# Altium PCB PCB_MPPT_rev1.PcbDoc (part 2 of 3) (continued)
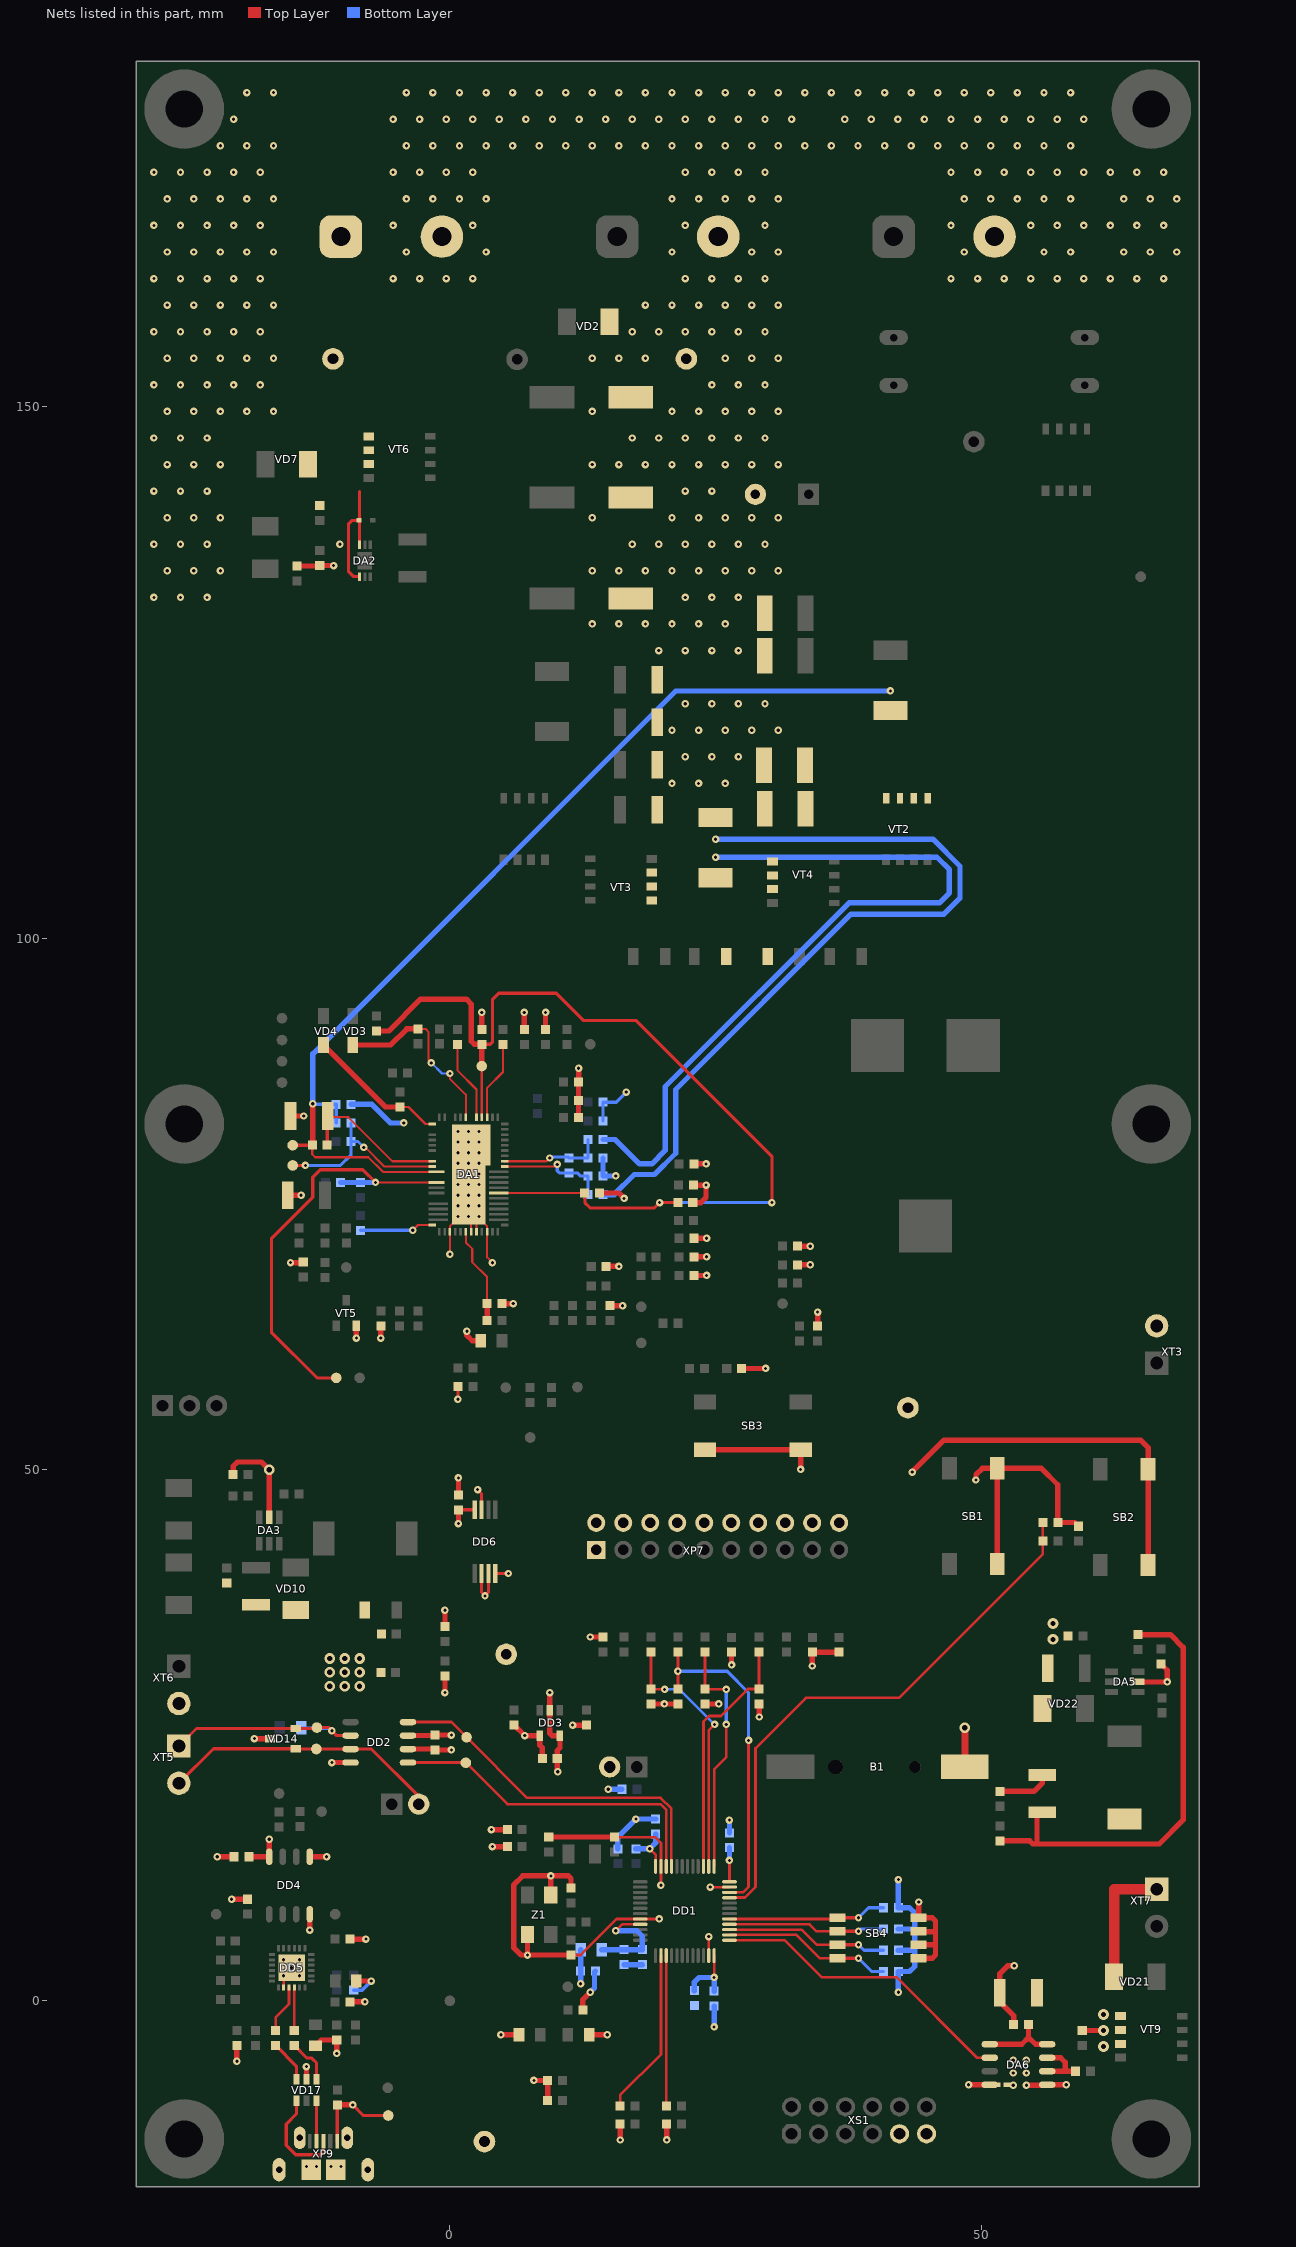
[diagram p4: the nets of this part, all layers, seen from the top]
## Part data (continued)
R58: library part Resistor_0805, Manufacturer=Vishay, Package=0805, PartNumber=CRCW08055K10FKEA, Power=0.125W, Temperature=-55...+125°C, Tolerance=±1%, TypeResistor="Resistor film", HelpURL=https://www.digikey.com/product-detail/en/vishay-dale/CRCW08055K10FKEA/541-5.10KCCT-ND/1180863, ValueManufacturerPartNumber="Resistor film, 5.1k, ±1%, 0805, 0.125W"
R59: library part Resistor_0603, Manufacturer=Vishay, Package=0603, PartNumber=CRCW06038K45FKEA, Power=0.1W, Temperature=-55...+125°C, Tolerance=±1%, TypeResistor="Res, SMD", HelpURL=https://www.digikey.com/product-detail/en/vishay-dale/CRCW06038K45FKEA/541-8.45KHCT-ND/1179916, ValueManufacturerPartNumber="Res, SMD, 8.45k, ±1%, 0603, 0.1W"
R65 R68 R69 R70 R71 R73 R103 R104 R106 R107: library part Resistor_0603, Manufacturer=Vishay, Package=0603, PartNumber=CRCW060322R0JNEA, Power=0.1W, Temperature=-55...+125°C, Tolerance=±5%, TypeResistor="Res, SMD", HelpURL=https://www.digikey.com/product-detail/en/vishay-dale/CRCW060322R0JNEA/541-22GCT-ND/1179329, ValueManufacturerPartNumber="Res, SMD, 22, ±5%, 0603, 0.1W"
R98: library part Resistor_0805, Manufacturer=Vishay, Package=0805, PartNumber=CRCW0805120RJNEA, Power=0.125W, Temperature=-55...+125°C, Tolerance=±5%, TypeResistor="Resistor film", HelpURL=https://www.digikey.com/product-detail/en/vishay-dale/CRCW0805120RJNEA/541-120ACT-ND/1180318, ValueManufacturerPartNumber="Resistor film, 120, ±5%, 0805, 0.125W"
R122: library part Resistor_0603, Manufacturer=YAGEO, Package=0603, PartNumber=RC0603FR-07147KL, Power=0.1W, Temperature=-55...+125°C, Tolerance=±1%, TypeResistor="Res, SMD", HelpURL=https://www.electronshik.ru/item/YAG/RC0603FR-07147KL, ValueManufacturerPartNumber="Res, SMD, 147k, ±1%, 0603, 0.1W"
SB1 SB2 SB3: library part Button_tactile, Manufacturer="TE Connectivity", Package=6x6mm, PartNumber=FSM2JSMAATR, HelpURL=https://www.digikey.com/product-detail/en/te-connectivity-alcoswitch-switches/FSM2JSMAATR/450-1792-1-ND/3503931, TypeButton="Tactile button", ValueManufacturerPartNumber="Tactile button, 6x6mm"
  SB1: CommentText="\"RST\""
  SB2: CommentText="\"USER\""
  SB3: CommentText="\"SHDN\""
SB4: library part Button_switch, CurrentMax=25mA, Manufacturer="TE Connectivity", PartNumber=1571983-4, Temperature=-40...+85°C, VoltageMax=24VDC, HelpURL=https://www.chipdip.ru/product/tyco-1571983-4, Multichannel=4pin, TypeButton="DIP switch", ValueManufacturerPartNumber="DIP switch, 4pin, 24VDC, 25mA, -40...+85°C"
VD1: library part Schottky_single_TDFN, Current=10A, Manufacturer="ON Semiconductor", Package="8-PowerTDFN, 5 Leads", PartNumber=NTS10100MFST3G, Voltage=100V, VoltageDrop="690mV @ 10A", ClassName=Polygon_direct, HelpURL=https://www.digikey.com/product-detail/en/on-semiconductor/NTS10100MFST3G/NTS10100MFST3GCT-ND/6050812, TypeDiode="Schottky diode", ValueManufacturerPartNumber="Schottky diode, 100V, 10A, 690mV @ 10A, 8-PowerTDFN, 5 Leads"
VD2: library part TVS_single_uni, Current=400W, Manufacturer="Diodes Incorporated", Package=SMA, PartNumber=SMAJ48A-13-F, Temperature=-55...+150°C, Voltage=48V, HelpURL=https://www.digikey.com/product-detail/en/diodes-incorporated/SMAJ48A-13-F/SMAJ48A-FDICT-ND/816024, TypeDiode="TVS DIODE UNI", ValueManufacturerPartNumber="TVS DIODE UNI, 48V, 400W, SMA"
VD3 VD4: library part Diode_single, Current=1A, Manufacturer="Central Semi.", Package=SOD-123F, PartNumber="CMMR1U-02 TR", Temperature=-65...+150°C, Voltage=200V, VoltageDrop="1.7V @ 1A", HelpURL=https://www.digikey.com/product-detail/en/central-semiconductor-corp/CMMR1U-02-TR-PBFREE/1514-CMMR1U-02TRPBFREECT-ND/4807014, RecoveryTime=50ns, TypeDiode="Ultra Fast Rectifier Single", ValueManufacturerPartNumber="Ultra Fast Rectifier Single, 200V, 1A, SOD-123F"
VD5 VD9 VD12 VD13 VD18 VD23: library part LED_single, Color=GREEN, Current=20mA, Manufacturer=Wurth, Package=0603, PartNumber=150060VS75000, Temperature=-55...+150°C, VoltageDrop=2V, HelpURL=https://www.digikey.com/product-detail/en/wurth-electronics-inc/150060VS75000/732-4980-1-ND/4489904
  VD5: ShowComment=STATUS, TypeDiode=LED, ValueManufacturerPartNumber="LED, 0603, GREEN"
  VD9: ShowComment=3V3, TypeDiode=LED, ValueManufacturerPartNumber="LED, 0603, GREEN"
  VD12: ShowComment=LED1, TypeDiode="LED GREEN", ValueManufacturerPartNumber="LED GREEN, 0603, GREEN"
  VD13: ShowComment=LED2, TypeDiode="LED GREEN", ValueManufacturerPartNumber="LED GREEN, 0603, GREEN"
  VD18: ShowComment=VBUS, TypeDiode=LED, ValueManufacturerPartNumber="LED, 0603"
  VD23: ShowComment=12V, TypeDiode=LED, ValueManufacturerPartNumber="LED, 0603, GREEN"
VD6: library part Zener_single, Current=300mW, Manufacturer="Diodes Incorporated", Package=SOD-523, PartNumber=BZT52C12T-7, Temperature=-60...+150°C, Voltage=12V, VoltageDrop="900mV @ 10mA", HelpURL=https://www.digikey.com/product-detail/en/diodes-incorporated/BZT52C12T-7/BZT52C12T-7DICT-ND/2181075, TypeDiode="Zener diode", ValueManufacturerPartNumber="Zener diode, 12V, 300mW, SOD-523"
VD7: library part TVS_single_uni, Current=400W, Manufacturer="Diodes Incorporated", Package=SMA, PartNumber=SMAT70A-13-F, Temperature=-55...+150°C, Voltage=70V, HelpURL=https://www.digikey.com/product-detail/en/diodes-incorporated/SMAT70A-13-F/SMAT70A-FDICT-ND/804910, TypeDiode="TVS DIODE UNI", ValueManufacturerPartNumber="TVS DIODE UNI, 70V, 400W, SMA"
VD8: library part TVS_single_uni, Current=400W, Manufacturer="Diodes Incorporated", Package=SMA, PartNumber=SMAJ24A-13-F, Temperature=-55...+150°C, Voltage=24V, HelpURL=https://www.digikey.com/product-detail/en/diodes-incorporated/SMAJ24A-13-F/SMAJ24A-FDICT-ND/724994, TypeDiode="TVS DIODE UNI", ValueManufacturerPartNumber="TVS DIODE UNI, 24V, 400W, SMA"
VD10 VD19 VD20 VD21 VD22: library part Schottky_single, Current=1A, Manufacturer=Vishay, Package=SMA, PartNumber=MBR0580S1-7, Temperature=-55...+150°C, Voltage=100V, VoltageDrop="780mV @ 1A", ClassName=Polygon_direct, HelpURL=https://www.digikey.com/product-detail/en/vishay-semiconductor-diodes-division/VS-10MQ100NTRPBF/10MQ100NPBFCT-ND/812503, TypeDiode="Schottky diode", ValueManufacturerPartNumber="Schottky diode, 100V, 1A, , SMA"
VD14: library part TVS_array, Current="230W peak", Manufacturer=STMicroelectronics, Package=SOT-23, PartNumber=ESDCAN06-2BLY, Temperature=-40...+150°C, Voltage=24V, VoltageDrop=3A, HelpURL=https://www.digikey.com/product-detail/en/stmicroelectronics/ESDCAN06-2BLY/497-19090-1-ND/10057130, RecoveryTime=13pF, TypeDiode="TVS diode", ValueManufacturerPartNumber="TVS diode, 24V, 230W peak, 3A, 13pF, SOT-23, -40...+150°C"
VD15: library part LED_single, Color=BLUE, Current=20mA, Manufacturer=Wurth, Package=0603, PartNumber=150060BS75000, Temperature=-55...+150°C, VoltageDrop=3.2V, HelpURL=https://www.digikey.com/product-detail/en/wurth-electronics-inc/150060BS75000/732-4966-1-ND/4489893, ShowComment=TX, TypeDiode=LED, ValueManufacturerPartNumber="LED, 0603, BLUE"
VD16: library part LED_single, Color=YELLOW, Current=20mA, Manufacturer=Wurth, Package=0603, PartNumber=150060YS75000, Temperature=-55...+150°C, VoltageDrop=2V, HelpURL=https://www.digikey.com/product-detail/en/wurth-electronics-inc/150060YS75000/732-4981-1-ND/4489907, ShowComment=RX, TypeDiode=LED, ValueManufacturerPartNumber="LED, 0603, YELLOW"
VD17: library part USBLC6-2SC6, Manufacturer="ST Microelectronics", Package=SOT23-6L, Temperature=-55...+150°C, Voltage=5V, ClassName=Polygon_direct, HelpURL=https://www.digikey.com/product-detail/en/stmicroelectronics/USBLC6-2SC6/497-5235-1-ND/1121688, PartNumber=USBLC6-2SC6, TypeDiode="TVS USB ESD", ValueManufacturerPartNumber="TVS USB ESD, 5V, SOT23-6L"
VT1 VT2 VT3 VT4: library part MOSFET_N_TDSON-8, "Òðàíçèñòîð", CurrentDS=76A, Manufacturer="Infineon Technologies", Package=PG-TDSON-8, PartNumber=BSC110N15NS5, VoltageDS=150V, Analog="BSC070N10NS3 G", ClassName=Polygon_direct, HelpURL=https://www.digikey.com/product-detail/en/infineon-technologies/BSC110N15NS5ATMA1/BSC110N15NS5ATMA1TR-ND/5959916, RDS=11mOhm, TypeTransistor="MOSFET N-ch", ValueManufacturerPartNumber="MOSFET N-ch, 150V, PG-TDSON-8"
VT5: library part BJT_NPN_132, CurrentCE=200mA, CurrentGain="100 @ 10mA, 1V", Frequency=300MHz, Manufacturer="Diodes Inc.", MaxPower=300mW, Package=SOT-23, PartNumber=MMBT3904-7-F, Temperature=-55...+150°C, VoltageCE=40V, ClassName=Polygon_direct, HelpURL=https://www.digikey.com/product-detail/en/diodes-incorporated/MMBT3904-7-F/MMBT3904-FDICT-ND/815727, TypeTransistor="NPN transistor", ValueManufacturerPartNumber="NPN transistor, 40V, 200mA, SOT-23"
VT6 VT9: library part MOSFET_N_TDSON-8, "Òðàíçèñòîð", CurrentDS=12A, Manufacturer="ON Semiconductor", MaxPower=2.5W, Package=8-PowerTDFN, PartNumber=FDMS86101, Temperature="-55°C ~ 150°C (TJ)", VoltageDS=100V, ClassName=Polygon_direct, GateCharge="55nC @ 10V", HelpURL=https://www.digikey.com/product-detail/en/on-semiconductor/FDMS86101/FDMS86101CT-ND/2060386, RDS="8mOhm @ 13A, 10V", TypeTransistor="MOSFET N-ch", ValueManufacturerPartNumber="MOSFET N-ch, 100V, 12A, 8-PowerTDFN"
XP1 XP2 XP3 XP6: library part 5000, "Test Point, Miniature, Red, TH", Color=Red, Manufacturer=Keystone, ValueManufacturerPartNumber="Test Point, Red", ComponentLink1Description="Datasheet URL", ContactFinish=Silver, HelpURL=https://www.digikey.com/product-detail/en/keystone-electronics/5000/36-5000-ND/255326, MountType=TH, PackageReference="Red Miniature Testpoint", PartNumber=5000, TypeConnector="Test Point"
  XP1: NOTE="\"PV+\""
  XP2: NOTE="\"VBAT\""
  XP3: NOTE="\"DC\""
XP4 XP5 XP10: library part 5001, "Test Point, Miniature, Black, TH", Color=Black, Manufacturer=Keystone, ValueManufacturerPartNumber="Test Point, Black", ContactFinish=Silver, HelpURL=https://www.digikey.com/product-detail/en/keystone-electronics/5001/36-5001-ND/255327, PartNumber=5001, TypeConnector="Test Point"
  XP5: NOTE="\"GND\""
XP7: library part IDC-20, CurrentMax=3A, Manufacturer="On Shore Technology Inc.", PartNumber=IDC-20M, VoltageMax=250VAC, CommentText="\"JTAG\"", HelpURL=https://www.digikey.com/product-detail/en/on-shore-technology-inc/302-S201/ED10524-ND/2794235, Multichannel=20pin, Pitch=2.54mm, TypeConnector="Connector IDC", ValueManufacturerPartNumber="Connector IDC, 20pin, 2.54mm"
XP9: library part Connector_USB_micro_AB, "molex", Manufacturer=Molex, PartNumber=0475890001, ClassName=Polygon_direct, CommentText="\"USB\"", HelpURL=https://www.digikey.com/product-detail/en/molex/0475890001/WM17143DKR-ND/1832257, TypeConnector="USB micro (AB)", ValueManufacturerPartNumber="USB micro (AB)"
XS1: library part PBD-12, CurrentMax=3A, Manufacturer=Connfly, VoltageMax=500VAC, CommentText=RESERVE, HelpURL=https://www.chipdip.ru/product/pbd-12, Multichannel=12pin, PartNumber=PBD-12, Pitch=2.54mm, TypeConnector=Connector, ValueManufacturerPartNumber="Connector, 12pin, 2.54mm, 500VAC, 3A"
XT1 XT2 XT4: library part Connector_6PCV-02, CurrentMax=25A, Manufacturer="TE Connectivity", PartNumber=6PCV-02-006, VoltageMax=300VAC, HelpURL=https://www.digikey.com/products/en?keywords=6PCV-02-006, Multichannel=2pin, Pitch=9.53mm, TypeConnector=Connector, ValueManufacturerPartNumber="Connector, 2pin, 9.53mm, 300VAC, 25A"
  XT1: CommentText="\"PANEL IN\"", row1=PV+, row2=PV-
  XT2: CommentText="\"VBAT\"", row1=BAT+, row2=BAT-
  XT4: CommentText="\"DC IN\"", row1=DC+, row2=DC-
XT3 XT5 XT6 XT7: library part Connector_terminal_2pin, CurrentMax=12A, Manufacturer=Molex, PartNumber=0393570002, VoltageMax=300VAC, HelpURL=https://www.digikey.com/product-detail/en/molex/0393570002/WM7877-ND/946543, Multichannel=2pin, Pitch=3.5mm, TypeConnector="Terminal connector", ValueManufacturerPartNumber="Terminal connector, 2pin, 3.5mm, 300VAC, 12A"
  XT3: CommentText="\"NTC\"", row1=SENSE+, row2=SENSE-
  XT5: CommentText="\"CAN\"", row1=CANH, row2=CANL
  XT6: CommentText="\"7-48VIN\"", row1=VIN, row2=GND
  XT7: ClassName=Polygon_direct, CommentText="\"FAN 12V\"", row1="12V OUT", row2=GND
Z1: library part Oscilator_5032, Frequency=8MHz, LoadCapacitance=18pF, Manufacturer="ECS Inc.", Package="case 5032", PartNumber=ECS-80-18-30B-AGN-TR, Temperature=-40...+85°C, Tolerance=±25ppm, HelpURL=https://www.digikey.com/product-detail/en/ecs-inc/ECS-80-18-30B-AGN-TR/XC2709CT-ND/8023644, TypeOscilator=Oscilator, ValueManufacturerPartNumber="Oscilator, 8MHz, 18pF, ±25ppm, case 5032"
Z2: library part Crystal_3215, Frequency=32.768kHz, LoadCapacitance=6pF, Manufacturer=NDK, Package="case 3215", PartNumber=NX3215SA-32.768K-20ppm-70KOhm-7pF, Temperature=-40...+85°C, Tolerance=±20ppm, Analog="NX3215SA-32.768K-STD-MUA-14 / NDK", ESR=70kOhm, HelpURL=https://www.chipdip.ru/product0/9000523964, HelpURL1=https://www.electronshik.ru/item/NDK/NX3215SA-32.768K-STD-MUA-14, TypeOscilator=Crystal, ValueManufacturerPartNumber="Crystal, 32.768kHz, 6pF, ±20ppm, case 3215, -40...+85°C"
B1: Battery="CR1220 MFR.SC \"RENATA\"", HelpURL=https://www.electronshik.ru/item/RENATA/CR1220%20MFR.IB, HelpURL1=https://www.digikey.com/product-detail/en/harwin-inc/S8411-45R/952-1745-2-ND/3131055, Holder="S8411-45R HARWIN", HolderAnalog=KLS5-CR1220-02, Pattern/Footprint=CR1220

## Free pads (board coordinates)
  round 7.5 / inner round 3.5 / far side round 7.5 hole 3.5: KREP(-25,178) KREP(-25,-13) KREP(-25,82.5) KREP(66,82.5) KREP(66,-13) KREP(66,178)

## Via types
v1: diameter 0.7, hole 0.3, Top Layer to Bottom Layer, 562 vias
v2: diameter 1, hole 0.5, Top Layer to Bottom Layer, 28 vias
v3: diameter 1.2, hole 0.5, Top Layer to Bottom Layer, 2 vias

## Nets (pads, with @x,y where several pads share a name; then routed paths per layer and width w, separated by ;. In a path a pad name is that pad's centre, name@x,y a point inside that pad or via, vN(x,y) a via of type N, cw(c..) or ccw(c..) an arc to the next point about the centre after c; other vN are vias at no path point)
3.3V: C51.2 C52.2 C54.2 C57.2 C64.2 C65.2 C68.1 C76.2 C77.2 DD1.24 DD1.36 DD1.48 DD2.3 DD3.4 DD4.8 DD6.2 DD6.3 DD6.8 JP3.2 L3.1 R54.1 R55.2 R60.2 R61.2 R62.2 R63.2 R88.2 R99.1 R100.1 R112.1 R113.2 R114.2 SB2.2 SB4.2 SB4.4 SB4.6 SB4.8 VD9.1 XP6.1 XP7.1 XP7.2 XS1.9 | length 97.7
  Top Layer w0.25: v1(18.8,14.3) 19.359,13.741 DD1.48@19.359,12.645 ; v1(24.859,2.195) DD1.24@24.859,4.245 ; DD1.36@26.309,11.195 v1@26.309,13.191
  Top Layer w0.3: C77.2@0.8,46.2 DD6.8@2.325,46.201 ; DD6.2@2.975,40.199 2.975,38.425 v1(3.3,38.1) 3.625,38.425 DD6.3@3.625,40.199
  Top Layer w0.5: C68.1@-18.897,13.55 DD4.8@-17.002,13.55 -17.002,15.198 v1(-17,15.2) ; DD2.3@-3.95,24.953 C64.2@-1.447,24.953 ; C64.2@-1.4,25 v1(0.145,25) ; v1(-0.47,29) VD9.1@-0.47,30.55 ; v1(0.8,44.9) C77.2@0.8,46.2 ; v1(3.9,16.1) R88.2@5.4,16.1 ; v1(4.8,-3.2) R55.2@6.5,-3.2 ; R100.1@6.039,25.954 v1(7.043,24.95) DD3.4@8.45,24.95 8.45,24.054 8.7,23.804 C65.2@8.7,22.799 ; v1(7.9,-7.5) R113.2@9.2,-7.5 R114.2@9.2,-9.4 ; v1(11.539,25.936) 12.821,25.936 R99.1@12.839,25.954 ; v1(13.2,34.228) R60.2@14.416,34.228 ; R61.2@18.916,27.928 R62.2@21.458,27.928 ; R63.2@29.078,27.928 29.1,27.906 v1(29.1,26.7) ; v1(43.5,49.75) 46.5,52.75 65,52.75 65.7,52.05 SB2.2@65.7,50 SB2.2@65.7,41 ; SB4.8@44.11,3.995 45.395,3.995 45.7,4.3 45.7,5.3 ; SB4.6@44.11,5.265 45.665,5.265 45.7,5.3 ; SB4.4@44.11,6.535 44.145,6.5 45.7,6.5 ; v1(44.11,9.29) SB4.2@44.11,7.805 45.395,7.805 45.7,7.5 45.7,6.5 ; 45.7,5.3 45.7,6.5
  Bottom Layer w0.5: v1(12.3,1.6) C57.2@12.3,2.8 L3.1@12.3,4.8 ; R112.1@17.5,14.3 v1(18.8,14.3) 19.359,14.859 C51.2@19.359,15.695 ; C76.2@23,0.95 23,1.75 23.445,2.195 v1(24.859,2.195) C52.2@24.859,0.895 ; v1(26.3,13.2) C54.2@26.3,14.4
  other v1: 20.187,27.928
  other v2: -11.3,29.6 -9.9,29.6 -8.5,29.6 -11.3,30.9 -9.9,30.9 -8.5,30.9 -11.3,32.2 -9.9,32.2 -8.5,32.2
3.3VA: C55.2 C56.2 DD1.9 L3.2 | length 10.4
  Top Layer w0.25: v1(15.6,6.591) 16.205,7.195 DD1.9@17.909,7.195
  Bottom Layer w0.5: L3.2@14.3,4.8 C55.2@16.4,4.8 C56.2@18.1,4.8 18.1,6.1 17.609,6.591 v1(15.6,6.591)
12V: C81.2 C82.2 C83.2 DA6.1 DA6.8 L4.1 R122.2 VD21.2 VD23.1 XT7.1 | length 61.9
  Top Layer w0.5: DA6.1@50.8,-4.095 53.805,-4.095 54.45,-3.45 ; VD23.1@51.75,15.05 54.55,15.05 54.85,14.75 55.25,14.75 ; C82.2@54.45,-2.25 54.45,-3.45 ; C81.2@55.25,18 55.25,14.75 ; DA6.8@56.2,-4.095 55.095,-4.095 54.45,-3.45 ; R122.2@64.75,34.45 67.8,34.45 69,33.25 69,17 66.75,14.75 55.25,14.75
  Top Layer w1: VD21.2@62.5,2.25 62.5,10.5 XT7.1@66.5,10.5
A: C18.1 C19.1 R12.2 R14.1 VT3.1 VT3.2 VT3.3 VT4.1 VT4.2 VT4.3 | length 72.3
  Bottom Layer w0.5: R14.1@14.4,81.05 15.55,81.05 17.85,78.75 19,78.75 20.25,80 20.25,86.002 37.559,103.311 46.061,103.311 47,104.25 47,106.439 45.839,107.6 v1(25,107.6)
A0: DD1.29 R118.2 SB4.1 | length 14.8
  Top Layer w0.25: DD1.29@26.309,7.695 SB4.1@36.38,7.695
  Top Layer w0.3: SB4.1@36.49,7.805 v1(38.445,7.805)
  Bottom Layer w0.3: v1(38.445,7.805) 39.39,8.75 R118.2@40.8,8.75
A1: DD1.28 R119.2 SB4.3 | length 14.9
  Top Layer w0.25: DD1.28@26.309,7.195 33.83,7.195 34.49,6.535 SB4.3@36.49,6.535
  Top Layer w0.3: SB4.3@36.49,6.535 v1(38.445,6.535)
  Bottom Layer w0.3: v1(38.445,6.535) 38.66,6.75 R119.2@40.8,6.75
A2: DD1.27 R120.2 SB4.5 | length 15.3
  Top Layer w0.25: DD1.27@26.309,6.695 33.105,6.695 34.535,5.265 SB4.5@36.49,5.265
  Top Layer w0.3: SB4.5@36.49,5.265 v1(38.445,5.265)
  Bottom Layer w0.3: v1(38.445,5.265) 38.96,4.75 R120.2@40.8,4.75
A3: DD1.26 R121.2 SB4.7 | length 15.9
  Top Layer w0.25: DD1.26@26.309,6.195 32.605,6.195 34.805,3.995 SB4.7@36.49,3.995
  Top Layer w0.3: SB4.7@36.49,3.995 v1(38.445,3.995)
  Bottom Layer w0.3: v1(38.445,3.995) 39.69,2.75 R121.2@40.8,2.75
AGND: B1.- C14.1 C17.1 C21.2 C22.2 C25.1 C26.1 C27.1 C28.2 C29.1 C30.2 C31.1 C32.1 C33.1 C34.1 C35.1 C36.1 C37.1 C38.1 C39.1 C42.1 C43.1 C44.1 C45.1 C46.1 C51.1 C52.1 C53.1 C54.1 C55.1 C56.1 C57.1 C60.1 C61.1 C62.1 C63.1 C64.1 C65.1 C68.2 C74.2 C75.2 C76.1 C77.1 DA1.52 DA1.55 DA1.59 DA1.60 DA1.62 DA1.65 DA3.2 DA6.4 DD1.8 DD1.23 DD1.35 DD1.47 DD2.2 DD2.8 DD3.2 DD3.5 DD4.5 DD6.4 DD6.7 NT1.1 NT2.1 R26.2 R27.1 R28.2 R29.2 R33.1 R34.1 R39.1 R40.1 R41.1 R44.1 R45.1 R49.1 R51.1 R57.1 R58.2 R59.1 R77.1 R92.1 R95.1 R96.1 R97.1 R115.1 R116.1 R117.1 R118.1 R119.1 R120.1 R121.1 SB1.1 SB3.1 VD10.1 VD14.3 VT5.2 XP4.1 XP7.4 XP7.6 XP7.8 XP7.10 XP7.12 XP7.14 XP7.16 XP7.18 XP7.20 XP10.1 XS1.11 XT3.2 XT6.2 Z1.2 Z1.4 | length 247.9
  Top Layer w0.2: v1(-3.5,72.5) -3,73 DA1.52@-1.65,73 ; v1(0,70.25) DA1.55@0,72.35 0,72.892 0.75,73.642 v1(0.75,73.8) ; DA1.59@2,72.35 DA1.65@2,77.5 ; DA1.60@2.5,72.35 DA1.65@2.5,77 ; v1(2.75,73.8) 2.75,73.642 3.5,72.892 DA1.62@3.5,72.35 3.5,69.955 4,69.455 v1(4,69.45) ; v1(2.75,80.8) 3.275,80.8 DA1.65@3.55,80.525
  Top Layer w0.25: C62.1@11.4,4.3 12.3,4.3 15.695,7.695 DD1.8@17.909,7.695 v1(19.695,7.695) ; C74.2@15.5,15.2 15.7,15.4 19.3,15.4 19.859,14.841 DD1.47@19.859,12.645 v1(19.859,10.859) ; DD1.23@24.359,4.245 v1(24.359,6.041) ; v1(24.5,10.7) 24.505,10.695 DD1.35@26.309,10.695
  Top Layer w0.3: R29.2@-13.855,69.455 R29.2@-13.8,69.4 ; v1(0.75,56.6) C36.1@0.75,57.8 ; v1(2.6,48.1) 2.975,47.725 DD6.7@2.975,46.201 ; DD6.4@4.275,40.199 v1(5.5,40.2)
  Top Layer w0.5: v1(-21.9,13.55) C68.2@-20.297,13.55 ; R59.1@-20.4,49.5 -20.4,50.297 -19.997,50.7 -17.747,50.7 v2(-17,49.953) DA3.2@-17,45.5 ; v1(-18.4,24.666) VD14.3@-16.9,24.666 ; C25.1@-15.25,75.8 v1(-14,75.8) ; C28.2@-15.05,83.2 C28.2@-15,83.25 v1(-13.75,83.25) ; v1(-15,69.455) R29.2@-13.855,69.455 ; DD4.5@-13.192,13.55 v1(-11.6,13.55) ; v1(-11.1,22.413) DD2.8@-9.35,22.413 ; v1(-8.8,62.355) VT5.2@-8.8,63.5 ; v1(-6.5,62.355) R28.2@-6.5,63.5 ; DD2.2@-3.95,23.683 -1.483,23.683 C64.1@-1.4,23.6 v1(0.145,23.6) ; R57.1@-0.47,35.2 v1(-0.47,36.75) ; C77.1@0.8,47.6 v1(0.8,49.2) ; v1(1.595,63) 1.595,62.605 2.1,62.1 C31.1@2.9,62.1 ; C30.2@3,91.4 v1(3,93) ; v1(4,14.5) C60.1@5.4,14.5 ; C32.1@4.9,65.6 v1(5.959,65.6) ; R41.1@7,91.4 v1(7,93) ; Z1.2@7.3,6.25 v1(7.3,4.3) ; R39.1@9,91.4 v1(9,93) ; C75.2@9.3,15.4 C74.2@15.5,15.4 ; v1(9.4,29) DD3.2@9.4,27.35 9.4,25.156 9.606,24.95 DD3.5@10.35,24.95 10.35,23.804 10.1,23.554 C65.1@10.1,22.799 10.1,21.593 v1(10.139,21.554) ; Z1.4@9.5,9.95 v1(9.5,11.75) ; C62.1@11.4,4.3 v1(7.3,4.3) ; C61.1@11.4,10.6 11.4,11.5 11.15,11.75 v1(9.5,11.75) ; R44.1@12.1,83.1 C35.1@12.1,84.7 C34.1@12.1,86.45 12.109,86.459 v1(12.109,87.75) ; C46.1@12.505,-0.891 12.505,0.105 v1(13.2,0.8) ; R58.2@13.1,-3.2 v1(14.8,-3.2) ; C29.1@14.059,76 15.893,76 v1(16.393,75.5) ; R27.1@14.7,69.1 v1(15.9,69.1) ; C26.1@15.05,65.4 v1(16.25,65.4) ; v1(16.025,-13.104) R95.1@16.025,-11.6 ; v1(20.4,-13.1) R96.1@20.4,-11.596 ; R45.1@22.85,75.1 23.6,75.1 24.1,75.6 v1(24.1,76.75) R26.2@22.9,76.75 ; C27.1@22.95,68.25 v1(24.15,68.25) ; C33.1@22.95,70 v1(24.15,70) ; R34.1@22.95,71.75 v1(24.15,71.75) ; R40.1@22.959,78.75 v1@24.15,78.75 ; R77.1@23.998,27.928 v1(25.3,27.928) ; SB3.1@24,51.85 SB3.1@33,51.85 v1(33,50) ; v1(26.5,31.6) R117.1@26.5,32.8 ; R51.1@27.45,59.5 v1(29.7,59.5) ; R49.1@32.7,69.25 v1(33.9,69.25) ; C38.1@32.7,71 v1(33.9,71) ; v1(34.1,31.5) R116.1@34.1,32.8 R115.1@36.6,32.8 ; R33.1@34.6,63.5 v1(34.6,64.8) ; v1(48.805,-7.905) DA6.4@50.8,-7.905 ; v1(49.5,49) 49.5,49.5 50.1,50.1 SB1.1@51.5,50.1 ; SB1.1@51.5,41.1 SB1.1@51.5,50.1 ; R97.1@59.15,44.65 58.8,45 C63.1@57.2,45 57.2,48.55 55.65,50.1 SB1.1@51.5,50.1 ; v1(7.3,4.3) 6.7,4.3 6,5 6,10.9 6.85,11.75 v1(9.5,11.75)
  Top Layer w0.65: B1.-@48.45,22 v2(48.45,25.7)
  Bottom Layer w0.3: C17.1@-8.4,72.5 v1(-3.5,72.5) ; C37.1@14.4,82.8 C39.1@14.4,84.55 15.65,84.55 v1(16.6,85.5)
  Bottom Layer w0.5: C14.1@-9.3,84.35 -7.35,84.35 -5.6,82.6 v1(-4.35,82.6) ; v1(13.2,0.8) 13.6,1.2 13.6,2.7 C57.1@13.7,2.8 ; C21.2@14.4,79.3 C22.2@14.4,77.6 15.584,77.6 v1(15.6,77.616) ; v1(14.9,19.9) R92.1@16.2,19.9 ; C53.1@15.8,14.3 15.8,15.395 v1(17.5,17.095) C51.1@19.359,17.095 ; C55.1@16.4,3.4 C56.1@18.1,3.4 ; v1(24.859,-2.459) C52.1@24.859,-0.505 ; C54.1@26.3,15.8 v1(26.3,17) ; v1(42.2,0.8) R121.1@42.2,2.75 43.25,2.75 43.75,3.25 43.75,4.75 ; R120.1@42.2,4.75 43.75,4.75 ; R119.1@42.2,6.75 43.75,6.75 ; v1(42.2,11.4) R118.1@42.2,8.75 43.25,8.75 43.75,8.25 43.75,6.75 ; 43.75,4.75 43.75,6.75
  other v1: 1.75,73.8 0.75,74.8 1.75,74.8 2.75,74.8 0.75,75.8 1.75,75.8 2.75,75.8 0.75,76.8 1.75,76.8 2.75,76.8 0.75,77.8 1.75,77.8 2.75,77.8 24.1,78.75 0.75,78.8 1.75,78.8 2.75,78.8 0.75,79.8 1.75,79.8 2.75,79.8 0.75,80.8 1.75,80.8 0.75,81.8 1.75,81.8 2.75,81.8
AVDD: C32.2 DA1.58 R32.2 | length 9.2
  Top Layer w0.2: DA1.58@1.5,72.35 1.5,71.35 2.1,70.75 2.1,69.5 3.5,68.1 3.5,65.7 C32.2@3.6,65.6
  Top Layer w0.5: R32.2@3.5,64 C32.2@3.5,65.6
BG1: DA1.23 R9.1 | length 7.5
  Top Layer w0.2: DA1.23@3.5,83.15 3.5,85.9 5,87.4 R9.1@5,90
BG2: DA1.25 R10.1 | length 7.6
  Top Layer w0.2: R10.1@0.7,90 0.7,87.55 2.5,85.75 DA1.25@2.5,83.15
BOOST1: C23.2 DA1.33 VD4.2 | length 13.6
  Top Layer w0.2: C23.2@-4.7,84.1 -3.9,84.1 -2.3,82.5 DA1.33@-1.65,82.5
  Top Layer w0.5: VD4.2@-11.9,89.7 VD4.2@-11.9,89.925 -6.075,84.1 C23.2@-4.7,84.1
BOOST2: C24.1 DA1.27 VD3.2 | length 17.8
  Top Layer w0.2: C24.1@-3,91.45 -2.3,91.45 -2,91.15 -2,88.5 v1(-1.75,88.25) ; v1(0,87.25) 0,86.75 1.5,85.25 DA1.27@1.5,83.15
  Top Layer w0.5: VD3.2@-9.15,89.925 -5.575,89.925 -4.05,91.45 C24.1@-3,91.45
  Bottom Layer w0.2: v1(-1.75,88.25) -0.75,87.25 v1(0,87.25)
BTN1: C63.2 DD1.33 R94.2 | length 53.5
  Top Layer w0.25: DD1.33@26.309,9.695 26.334,9.72 27.757,9.72 28.75,10.714 28.75,23.75 33.5,28.5 42.25,28.5 55.8,42.05 R94.2@55.8,43.25 C63.2@55.8,45
CAN-RX: 42.1 DD1.45 DD2.4 | length 33.6
  Top Layer w0.25: DD2.4@-3.95,26.223 0.145,26.223 42.1@1.568,24.8 7.268,19.1 19.836,19.1 20.834,18.102 20.834,12.67 DD1.45@20.859,12.645
CAN-TX: 39.1 DD1.46 DD2.1 | length 31.5
  Top Layer w0.25: DD2.1@-3.95,22.413 1.487,22.413 39.1@1.5,22.4 5.4,18.5 19.8,18.5 20.359,17.941 DD1.46@20.359,12.645
CANH: 40.1 DD2.7 JP2.2 VD14.1 XT5.2 | length 26.5
  Top Layer w0.3: XT5.2@-25.5,20.466 -22.25,23.716 VD14.1@-14.5,23.716 ; VD14.1@-14.472,23.688 40.1@-12.565,23.688 -9.355,23.688 DD2.7@-9.35,23.683 -7.383,23.683 -2.93,19.23 JP2.2@-2.93,18.5
CANL: 41.1 DD2.6 R98.2 VD14.2 XT5.1 | length 19.8
  Top Layer w0.3: XT5.1@-25.254,24.212 -23.85,25.616 VD14.2@-14.5,25.616 -12.604,25.616 41.1@-12.515,25.705 -11.405,25.705 v1(-11.1,25.4) -10.653,24.953 DD2.6@-9.35,24.953
  Bottom Layer w0.3: R98.2@-13.95,25.65 -11.35,25.65 v1(-11.1,25.4)
CSN: C20.1 C22.1 DA1.12 R15.2 | length 10.5
  Top Layer w0.2: DA1.12@5.15,78.5 9.9,78.5 v1(10.1,78.7)
  Bottom Layer w0.3: v1(10.1,78.7) 10.1,78.1 10.3,77.9 C20.1@11.2,77.9 12,77.9 12.3,77.6 C22.1@13,77.6 R15.2@13,75.85
CSP: C20.2 C21.1 DA1.13 R14.2 | length 9.8
  Top Layer w0.2: DA1.13@5.15,79 9.1,79 v1(9.4,79.3)
  Bottom Layer w0.3: v1(9.4,79.3) 9.5,79.4 11.1,79.4 C20.2@11.2,79.3 C21.1@13,79.3 R14.2@13,81.05
D+: VD17.4 XP9.3 | length 9.5
  Top Layer w0.3: VD17.4@-14.45,-9.425 -14.45,-10.653 -15.4,-11.603 -15.4,-13.6 -14.5,-14.5 -12.2,-14.5 -11.9,-14.2 XP9.3@-11.9,-13.227
D+_1: R107.2 VD17.3 | length 4
  Top Layer w0.3: R107.2@-16.397,-4.2 -14.45,-6.147 VD17.3@-14.45,-7.375
D+_2: DD5.3 R107.1 | length 4.6
  Top Layer w0.25: R107.1@-16.397,-2.8 -16.397,-1.556 -15.147,-0.306 DD5.3@-15.147,1.25
D-: VD17.6 XP9.2 | length 3.8
  Top Layer w0.3: XP9.2@-12.55,-13.227 VD17.6@-12.55,-9.425
D-_1: R106.2 VD17.1 | length 4.3
  Top Layer w0.3: R106.2@-14.647,-4.2 -13.447,-5.4 -13,-5.4 -12.55,-5.85 VD17.1@-12.55,-7.375
D-_2: DD5.4 R106.1 | length 4.1
  Top Layer w0.25: R106.1@-14.647,-2.8 DD5.4@-14.647,1.25
DC_IN: DA2.3 DA2.4 R50.2 VD6.1 VD7.2 VT6.1 VT6.2 VT6.3 XP3.1 XT4.1 | length 14.6
  Top Layer w0.3: VD6.1@-8.55,139.3 -9.2,139.3 -9.55,138.95 -9.55,134.5 -9.059,134.009 DA2.4@-8.5,134.009 ; DA2.3@-8.5,136.995 -8.5,142 VD6.1@-8.5,139.3
EXTVCC: C28.1 DA1.40 R3.2 | length 14.4
  Top Layer w0.2: C28.1@-11.5,83.25 -11.4,83.15 -9.566,83.15 -5.416,79 DA1.40@-1.65,79
  Top Layer w0.3: R3.2@-11.55,80.525 -11.55,83.2 C28.1@-11.5,83.25
FAN: DA6.2 DD1.25 | length 29.1
  Top Layer w0.25: DD1.25@26.309,5.695 31.505,5.695 35,2.2 42.05,2.2 49.615,-5.365 DA6.2@50.8,-5.365
FAN_GATE: DA6.6 DA6.7 R125.2 | length 5.4
  Top Layer w0.5: DA6.6@56.2,-6.635 57.9,-6.635 ; DA6.7@56.2,-5.365 57.465,-5.365 57.9,-5.8 57.9,-6.635 ; R125.2@58.865,-6.635 57.9,-6.635
GATEVCC: 8.1 C29.2 C30.1 DA1.7 DA1.24 R13.2 R45.2 | length 92.8
  Top Layer w0.2: DA1.24@3,83.15 8.1@3,87.95 ; DA1.7@4.6,76 C29.2@12.659,76
  Top Layer w0.3: C30.1@3,90 3.8,90 4,90.2 4,94.2 4.6,94.8 10,94.8 12.55,92.25 17.5,92.25 30.3,79.45 v1(30.3,75.1) ; C29.2@12.659,76 12.7,75.959 12.7,75.1 13.2,74.6 19.234,74.6 v1(19.734,75.1) R45.2@21.45,75.1
  Top Layer w0.5: R13.2@-6.9,91.25 -5.75,91.25 -2.75,94.25 1.55,94.25 2,93.8 2,90.3 2.3,90 C30.1@3,90 8.1@3,87.95
  Bottom Layer w0.3: v1(19.734,75.1) v1(30.3,75.1)
GND: C1.2 C2.2 C3.2 C4.1 C5.1 C6.1 C7.1 C8.1 C9.1 C11.1 C12.1 C13.2 C78.1 C79.1 C81.1 C82.1 C83.1 DA5.2 DA6.5 NT1.2 NT2.2 R12.1 R15.1 R52.1 R53.2 R123.2 R124.1 R126.2 VD2.1 VD22.1 VT9.1 VT9.2 VT9.3 XP5.1 XT1.2 XT2.2 XT4.2 | length 101.6
  Top Layer w0.5: R53.2@-14.4,135 R52.1@-12.3,135 ; R52.1@-12.25,135.05 -10.947,135.05 v1(-10.947,135.047) ; R124.1@51.75,19.7 54.95,19.7 55.75,20.5 C81.1@55.75,21.25 ; C82.1@53.05,-2.25 53.05,-1.4 51.75,-0.1 C83.1@51.75,0.75 51.75,2.55 52.5,3.3 v1(53.1,3.3) ; v1(54.25,-7.95) DA6.5@56.155,-7.95 ; DA6.5@56.2,-7.905 v1(57.995,-7.905) ; R126.2@59.5,-2.8 v2(61.5,-2.8) ; DA5.2@64.75,30 v1(67.5,30) 67.5,31.1 R123.2@66.9,31.7
  Bottom Layer w0.5: R15.1@14.4,75.85 15.449,75.85 17.349,77.75 19.25,77.75 21.25,79.75 21.25,85.75 37.75,102.25 46.5,102.25 48,103.75 48,106.75 45.45,109.3 v1(25,109.3)
  other v1: 53,-7.95 53,-6.8 54.25,-6.8 53,-5.6 54.25,-5.6 20.9,114.552 23.4,114.552 25.9,114.552 22.15,117.052 24.65,117.052 27.15,117.052 20.9,119.552 23.4,119.552 25.9,119.552 28.4,119.552 30.9,119.552 22.15,122.052 24.65,122.052 27.15,122.052 29.65,122.052 19.65,127.052 22.15,127.052 24.65,127.052 27.15,127.052 13.4,129.552 15.9,129.552 18.4,129.552 20.9,129.552 23.4,129.552 25.9,129.552 -27.85,132.052 -25.35,132.052 -22.85,132.052 22.15,132.052 24.65,132.052 27.15,132.052 -26.6,134.552 -24.1,134.552 -21.6,134.552 13.4,134.552 15.9,134.552 18.4,134.552 20.9,134.552 23.4,134.552 25.9,134.552 28.4,134.552 30.9,134.552 -27.85,137.052 -25.35,137.052 -22.85,137.052 -10.35,137.052 17.15,137.052 19.65,137.052 22.15,137.052 24.65,137.052 27.15,137.052 29.65,137.052 -26.6,139.552 -24.1,139.552 -21.6,139.552 13.4,139.552 20.9,139.552 23.4,139.552 25.9,139.552 28.4,139.552 30.9,139.552 -27.85,142.052 -25.35,142.052 -22.85,142.052 22.15,142.052 24.65,142.052 -26.6,144.552 -24.1,144.552 -21.6,144.552 13.4,144.552 15.9,144.552 18.4,144.552 20.9,144.552 23.4,144.552 25.9,144.552 28.4,144.552 30.9,144.552 -27.85,147.052 -25.35,147.052 -22.85,147.052 17.15,147.052 19.65,147.052 22.15,147.052 24.65,147.052 27.15,147.052 29.65,147.052 -26.6,149.552 -24.1,149.552 -21.6,149.552 -19.1,149.552 -16.6,149.552 13.4,149.552 20.9,149.552 23.4,149.552 25.9,149.552 28.4,149.552 30.9,149.552 -27.85,152.052 -25.35,152.052 -22.85,152.052 -20.35,152.052 -17.85,152.052 24.65,152.052 27.15,152.052 29.65,152.052 -26.6,154.552 -24.1,154.552 -21.6,154.552 -19.1,154.552 -16.6,154.552 13.4,154.552 15.9,154.552 18.4,154.552 25.9,154.552 28.4,154.552 30.9,154.552 -27.85,157.052 -25.35,157.052 -22.85,157.052 -20.35,157.052 -17.85,157.052 17.15,157.052 19.65,157.052 22.15,157.052 24.65,157.052 27.15,157.052 29.65,157.052 -26.6,159.552 -24.1,159.552 -21.6,159.552 -19.1,159.552 -16.6,159.552 18.4,159.552 20.9,159.552 23.4,159.552 25.9,159.552 28.4,159.552 30.9,159.552 -27.85,162.052 -25.35,162.052 -22.85,162.052 -20.35,162.052 -17.85,162.052 -5.35,162.052 -2.85,162.052 -0.35,162.052 2.15,162.052 22.15,162.052 24.65,162.052 27.15,162.052 29.65,162.052 47.15,162.052 49.65,162.052 52.15,162.052 54.65,162.052 57.15,162.052 59.65,162.052 62.15,162.052 64.65,162.052 67.15,162.052 -26.6,164.552 -24.1,164.552 -21.6,164.552 -19.1,164.552 -16.6,164.552 -4.1,164.552 3.4,164.552 20.9,164.552 28.4,164.552 30.9,164.552 48.4,164.552 55.9,164.552 58.4,164.552 63.4,164.552 65.9,164.552 68.4,164.552 -27.85,167.052 -25.35,167.052 -22.85,167.052 -20.35,167.052 -17.85,167.052 -5.35,167.052 2.15,167.052 22.15,167.052 29.65,167.052 47.15,167.052 54.65,167.052 57.15,167.052 59.65,167.052 62.15,167.052 64.65,167.052 67.15,167.052 -26.6,169.552 -24.1,169.552 -21.6,169.552 -19.1,169.552 -16.6,169.552 -4.1,169.552 -1.6,169.552 0.9,169.552 3.4,169.552 20.9,169.552 23.4,169.552 25.9,169.552 28.4,169.552 30.9,169.552 48.4,169.552 50.9,169.552 53.4,169.552 55.9,169.552 58.4,169.552 63.4,169.552 65.9,169.552 68.4,169.552 -27.85,172.052 -25.35,172.052 -22.85,172.052 -20.35,172.052 -17.85,172.052 -5.35,172.052 -2.85,172.052 -0.35,172.052 2.15,172.052 22.15,172.052 24.65,172.052 27.15,172.052 29.65,172.052 47.15,172.052 49.65,172.052 52.15,172.052 54.65,172.052 57.15,172.052 59.65,172.052 62.15,172.052 64.65,172.052 67.15,172.052 -21.6,174.552 -19.1,174.552 -16.6,174.552 -4.1,174.552 -1.6,174.552 0.9,174.552 3.4,174.552 5.9,174.552 8.4,174.552 10.9,174.552 13.4,174.552 15.9,174.552 18.4,174.552 20.9,174.552 23.4,174.552 25.9,174.552 28.4,174.552 30.9,174.552 33.4,174.552 35.9,174.552 38.4,174.552 40.9,174.552 43.4,174.552 45.9,174.552 48.4,174.552 50.9,174.552 53.4,174.552 55.9,174.552 58.4,174.552 -20.35,177.052 -5.35,177.052 -2.85,177.052 -0.35,177.052 2.15,177.052 4.65,177.052 7.15,177.052 9.65,177.052 12.15,177.052 14.65,177.052 17.15,177.052 19.65,177.052 22.15,177.052 24.65,177.052 27.15,177.052 29.65,177.052 32.15,177.052 37.15,177.052 39.65,177.052 42.15,177.052 44.65,177.052 47.15,177.052 49.65,177.052 52.15,177.052 54.65,177.052 57.15,177.052 59.65,177.052 -19.1,179.552 -16.6,179.552 -4.1,179.552 -1.6,179.552 0.9,179.552 3.4,179.552 5.9,179.552 8.4,179.552 10.9,179.552 13.4,179.552 15.9,179.552 18.4,179.552 20.9,179.552 23.4,179.552 25.9,179.552 28.4,179.552 30.9,179.552 33.4,179.552 35.9,179.552 38.4,179.552 40.9,179.552 43.4,179.552 45.9,179.552 48.4,179.552 50.9,179.552 53.4,179.552 55.9,179.552 58.4,179.552
  other v2: 61.5,-4.3 61.5,-1.3 56.75,34 56.75,35.5
GND_USB: 50.1 C66.2 C67.1 C69.2 C70.2 C71.2 C72.1 DD4.4 DD5.0 DD5.2 R109.1 R110.2 VD17.2 VD18.2 XP9.0 XP9.5 | length 25.3
  Top Layer w0.25: DD5.2@-15.647,1.25 v1(-15.647,2.35)
  Top Layer w0.3: C70.2@-10.675,-9.875 C70.2@-10.6,-9.95 ; v1(-9.15,-9.8) -8.15,-10.8 50.1@-5.8,-10.8
  Top Layer w0.35: XP9.5@-10.6,-13.227 -10.6,-9.95 C70.2@-10.6,-9.8
  Top Layer w0.5: v1(-20.547,9.55) C69.2@-19.047,9.55 ; v1(-20.047,-5.7) VD18.2@-20.047,-4.2 ; VD17.2@-13.5,-7.375 v1(-13.5,-6.2) ; v1(-13.192,6.65) DD4.4@-13.192,8.15 ; C72.1@-12.647,-4.25 -12.097,-3.7 C71.2@-10.65,-3.7 v1(-10.65,-4.95) ; C70.2@-10.6,-9.8 v1(-9.15,-9.8) ; C66.2@-9.4,-0.1 v1(-8,-0.1) ; R109.1@-9.4,5.8 v1(-7.9,5.8) ; C67.1@-8.8,1.85 v1(-7.4,1.85)
  Bottom Layer w0.35: R110.2@-9.05,1 -8.25,1 v1(-7.4,1.85)
  other v1: -13.5,-15.6 -12.55,-15.6 -11.2,-15.6 -10.25,-15.6 -14.147,2.35 -14.897,3.1 -15.647,3.85 -14.147,3.85
JTCK: DD1.37 R70.1 R77.2 | length 22.6
  Top Layer w0.25: R77.2@24.026,29.3 v1(26,29.3) ; DD1.37@24.859,12.645 24.859,21.759 26,22.9 v1(26,26)
  Top Layer w0.3: R77.2@23.998,29.328 R70.1@23.998,32.828
  Bottom Layer w0.3: v1(26,26) v1(26,29.3)
JTDI: DD1.38 R61.1 R68.1 | length 24.4
  Top Layer w0.25: R68.1@18.916,32.826 R61.1@18.916,29.328 18.944,29.3 v1(20.2,29.3) ; DD1.38@24.359,12.645 24.359,25.459 v1(24.9,26)
  Bottom Layer w0.25: v1(20.2,29.3) 21.6,29.3 v1(24.9,26)
JTDO: DD1.39 R63.1 R71.1 | length 23.6
  Top Layer w0.25: DD1.39@23.859,12.645 23.859,26.259 24.4,26.8 25.5,26.8 28.028,29.328 R63.1@29.078,29.328 R71.1@29.078,32.828
JTMS: DD1.34 R62.1 R69.1 | length 31.3
  Top Layer w0.25: R62.1@21.458,29.328 v1(21.458,31) R69.1@21.458,32.828 ; DD1.34@26.309,10.195 27.595,10.195 28.1,10.7 v1(28.1,24.5)
  Bottom Layer w0.3: v1(21.458,31) 26.1,31 28.1,29 v1(28.1,24.5)
LED1: DD1.14 VD12.1 | length 15.7
  Top Layer w0.25: VD12.1@16.025,-9.9 16.025,-8.875 19.859,-5.041 DD1.14@19.859,4.245
LED2: DD1.15 VD13.1 | length 14.2
  Top Layer w0.25: DD1.15@20.359,4.245 20.359,-9.859 VD13.1@20.4,-9.9
Net2_1: 2.1 C16.2 DA1.44 R5.2 | length 39.8
  Top Layer w0.2: v1(-7,77) DA1.44@-1.25,77
  Top Layer w0.3: 2.1@-10.7,58.609 -12.509,58.609 -16.8,62.9 -16.8,71.7 -12.9,75.6 -12.9,77.5 -12.2,78.2 -8.2,78.2 v1(-7,77)
  Bottom Layer w0.5: R5.2@-10.3,77 C16.2@-8.4,77 v1(-7,77)
Net3_1: 3.1 C8.2 C9.2 C14.2 C15.1 DA1.42 R2.2 R3.1 VT2.5 VT2.6 VT2.7 VT2.8 | length 96.1
  Top Layer w0.2: R3.1@-12.95,80.525 -12.95,79.65 -12.675,79.375 -7.675,79.375 -6.3,78 DA1.42@-1.25,78
  Top Layer w0.3: 3.1@-14.8,80.5 R3.1@-12.975,80.5
  Top Layer w0.5: R3.1@-12.9,80.575 v1(-12.9,84.4)
  Bottom Layer w0.3: v1(-12.9,84.4) -12.85,84.35 C14.2@-10.7,84.35 C15.1@-10.7,82.6
  Bottom Layer w0.5: v1(-12.9,84.4) -12.9,89.1 21.25,123.25 v1(41.45,123.25)
Net4_1: 4.1 C15.2 DA1.41 R4.2 | length 17.5
  Top Layer w0.2: v1(-8.1,80.3) -7.964,80.3 -6.164,78.5 DA1.41@-1.65,78.5
  Top Layer w0.3: 4.1@-14.8,78.6 v1(-13.6,78.6)
  Bottom Layer w0.3: v1(-13.6,78.6) -10.3,78.6 -9.3,79.6 R4.2@-9.3,80.85 ; C15.2@-9.3,82.6 R4.2@-9.3,80.85 ; v1(-8.1,80.3) -8.65,80.85 R4.2@-9.3,80.85